# Altium PCB MotherBoard_Layout.PcbDoc (part 2 of 2)
Units mil, origin at the board's own origin, x right, y up, seen from the top; angles counter-clockwise.
Board outline 5200 x 4470 mil, 4 copper layers (Top Layer, Int1 (GND), Int2 (PWR), Bottom Layer), stack 53.912 mil thick; 91 components, 57 nets, 316 pads, 326 vias.
Unrouted connection lines stored in the file: 3.
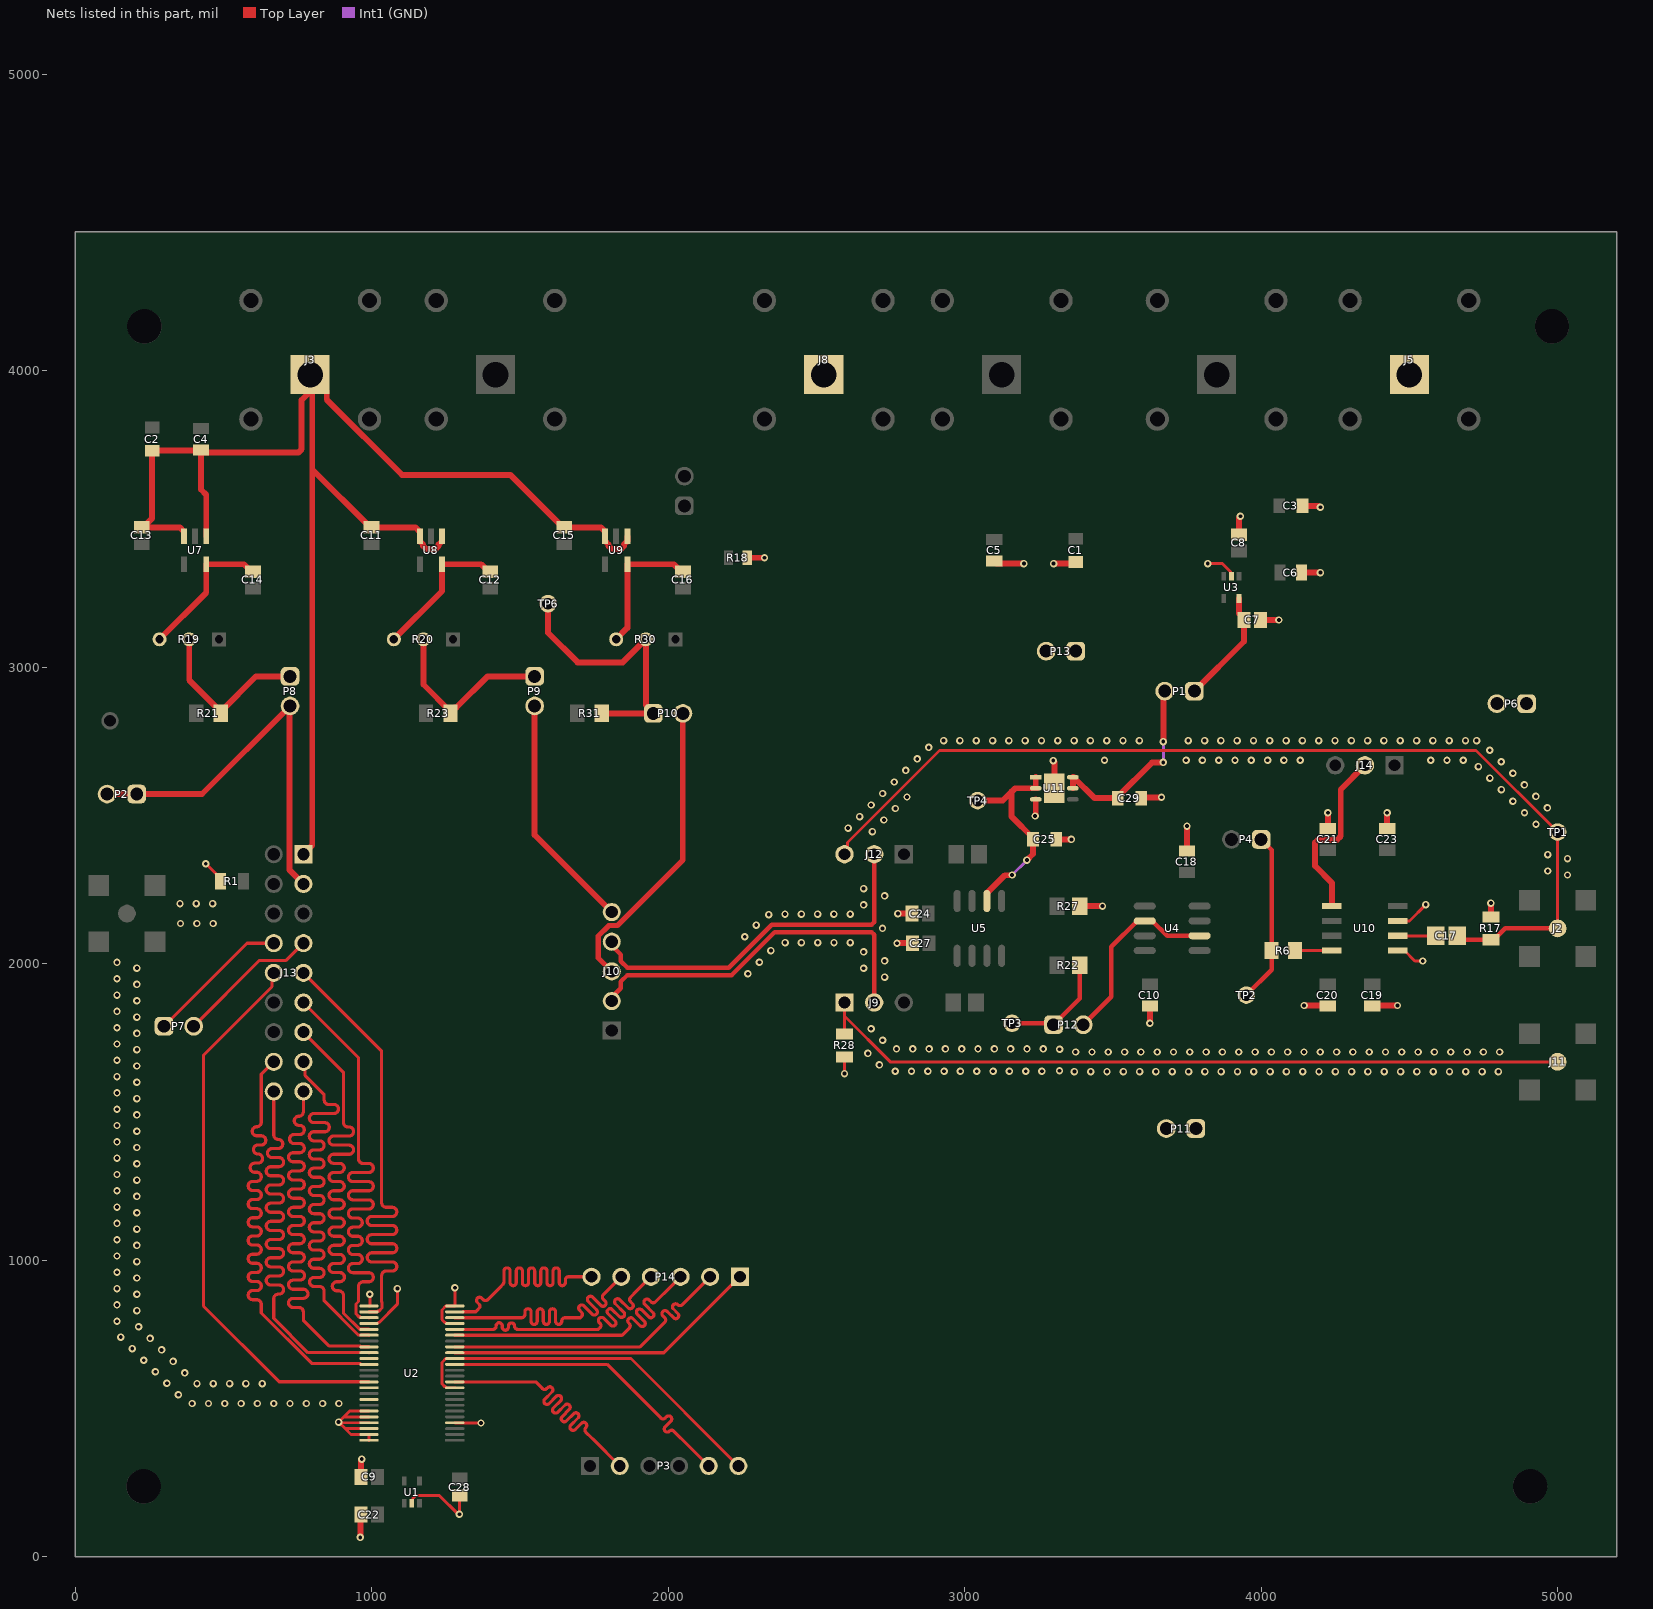
[diagram p4: the nets of this part, all layers, seen from the top]

## Via types
v1: diameter 25, hole 13, Top Layer to Bottom Layer, 326 vias

## Nets (pads, with @x,y where several pads share a name; then routed paths per layer and width w, separated by ;. In a path a pad name is that pad's centre, name@x,y a point inside that pad or via, vN(x,y) a via of type N, cw(c..) or ccw(c..) an arc to the next point about the centre after c; other vN are vias at no path point) (continued)
Code2: J13.16 U2.35 | length 1859.3
  Top Layer w10.7: J13.16@670,1670 628.14,1628.14 628.14,1526 628.14,1466.4 cw(c612.79,1466.4) 612.79,1451.05 ccw(c612.78,1435.7) 597.43,1435.7 ccw(c612.78,1435.7) 612.78,1420.34 628.14,1420.34 cw(c628.14,1404.99) 643.49,1404.99 cw(c628.14,1404.99) 628.14,1389.64 617.05,1389.64 ccw(c617.05,1374.29) 601.7,1374.29 ccw(c617.05,1374.29) 617.05,1358.94 cw(c617.05,1343.59) 632.4,1343.59 cw(c617.05,1343.59) 617.05,1328.24 605.89,1328.24 ccw(c605.89,1312.89) 590.54,1312.89 ccw(c605.89,1312.89) 605.89,1297.54 612.79,1297.53 cw(c612.79,1282.18) 628.14,1282.18 cw(c612.79,1282.18) 612.79,1266.83 599.05,1266.83 ccw(c599.05,1251.48) 583.7,1251.48 ccw(c599.05,1251.48) 599.05,1236.13 612.79,1236.13 cw(c612.79,1220.78) 628.14,1220.78 cw(c612.79,1220.78) 612.79,1205.43 599.05,1205.43 ccw(c599.05,1190.08) 583.7,1190.08 ccw(c599.05,1190.08) 599.05,1174.73 612.79,1174.73 cw(c612.79,1159.37) 628.14,1159.37 cw(c612.79,1159.37) 612.79,1144.02 599.05,1144.02 ccw(c599.05,1128.67) 583.7,1128.67 ccw(c599.05,1128.67) 599.05,1113.32 612.79,1113.32 cw(c612.79,1097.97) 628.14,1097.97 cw(c612.79,1097.97) 612.79,1082.62 599.05,1082.62 ccw(c599.05,1067.27) 583.7,1067.27 ccw(c599.05,1067.27) 599.05,1051.92 612.79,1051.92 cw(c612.79,1036.57) 628.14,1036.57 cw(c612.79,1036.57) 612.79,1021.21 599.05,1021.21 ccw(c599.05,1005.86) 583.7,1005.86 ccw(c599.05,1005.86) 599.05,990.51 612.79,990.51 cw(c612.79,975.16) 628.14,975.16 cw(c612.79,975.16) 612.79,959.81 599.05,959.81 ccw(c599.05,944.46) 583.7,944.46 ccw(c599.05,944.46) 599.05,929.11 612.79,929.11 cw(c612.79,913.76) 628.14,913.76 cw(c612.79,913.76) 612.79,898.41 599.05,898.41 ccw(c599.05,883.05) 583.7,883.05 ccw(c599.05,883.05) 599.05,867.7 612.79,867.7 cw(c612.79,852.35) 628.14,852.35 628.14,847 628.14,822.89 798.14,652.89 961.08,652.89 U2.35@964.06,649.91
Code2_BufferOut: P3.5 U2.14 | length 1067.4
  Top Layer w10.7: U2.14@1280.7,649.53 1794.47,649.53 1971.5,472.5 1975.28,468.72 ccw(c1982.85,476.28) 1990.42,468.72 1994.64,472.94 cw(c2001.96,465.62) 2009.28,472.94 cw(c2001.96,465.62) 2009.28,458.3 1989.92,438.94 ccw(c1997.24,431.62) 1989.92,424.3 ccw(c1997.24,431.62) 2004.56,424.3 cw(c2012.13,416.74) 2019.7,424.3 2043.22,400.78 2047,397 P3.5@2137,307
Code3: J13.18 U2.33 | length 1885.6
  Top Layer w10.7: J13.18@670,1570 670,1482 670,1423.7 ccw(c685.35,1423.7) 685.35,1408.34 cw(c685.35,1392.99) 700.7,1392.99 cw(c685.35,1392.99) 685.35,1377.64 664.46,1377.64 ccw(c664.46,1362.29) 649.11,1362.29 ccw(c664.46,1362.29) 664.46,1346.94 687.95,1346.94 cw(c687.95,1331.59) 703.3,1331.59 cw(c687.95,1331.59) 687.95,1316.24 660.19,1316.24 ccw(c660.19,1300.89) 644.84,1300.89 ccw(c660.19,1300.89) 660.19,1285.54 687.95,1285.53 cw(c687.95,1270.18) 703.3,1270.18 cw(c687.95,1270.18) 687.95,1254.83 660.19,1254.83 ccw(c660.19,1239.48) 644.84,1239.48 ccw(c660.19,1239.48) 660.19,1224.13 687.95,1224.13 cw(c687.95,1208.78) 703.3,1208.78 cw(c687.95,1208.78) 687.95,1193.43 660.19,1193.43 ccw(c660.19,1178.08) 644.84,1178.08 ccw(c660.19,1178.08) 660.19,1162.73 687.95,1162.73 cw(c687.95,1147.37) 703.3,1147.37 cw(c687.95,1147.37) 687.95,1132.02 660.19,1132.02 ccw(c660.19,1116.67) 644.84,1116.67 ccw(c660.19,1116.67) 660.19,1101.32 687.95,1101.32 cw(c687.95,1085.97) 703.3,1085.97 cw(c687.95,1085.97) 687.95,1070.62 660.19,1070.62 ccw(c660.19,1055.27) 644.84,1055.27 ccw(c660.19,1055.27) 660.19,1039.92 687.95,1039.92 cw(c687.95,1024.57) 703.3,1024.57 cw(c687.95,1024.57) 687.95,1009.21 660.19,1009.21 ccw(c660.19,993.86) 644.84,993.86 ccw(c660.19,993.86) 660.19,978.51 687.95,978.51 cw(c687.95,963.16) 703.3,963.16 cw(c687.95,963.16) 687.95,947.81 660.19,947.81 ccw(c660.19,932.46) 644.84,932.46 ccw(c660.19,932.46) 660.19,917.11 687.95,917.11 cw(c687.95,901.76) 703.3,901.76 cw(c687.95,901.76) 687.95,886.41 685.35,886.41 ccw(c685.35,871.05) 670,871.05 670,835 670,804.65 785.37,689.28 990.92,689.28 U2.33@991.3,688.9
Code3_BufferOut: P14.1 U2.16 | length 1067.4
  Top Layer w10.7: U2.16@1280.7,688.9 1985.9,688.9 P14.1@2242,945
Code4: J13.17 U2.32 | length 1886.7
  Top Layer w10.7: J13.17@770,1570 770,1501.69 cw(c754.65,1501.69) 754.65,1486.34 ccw(c754.65,1470.99) 739.3,1470.99 ccw(c754.65,1470.99) 754.65,1455.64 757.95,1455.64 cw(c757.95,1440.29) 773.3,1440.29 cw(c757.95,1440.29) 757.95,1424.94 738.86,1424.94 ccw(c738.86,1409.59) 723.51,1409.59 ccw(c738.86,1409.59) 738.86,1394.24 757.95,1394.24 cw(c757.95,1378.89) 773.3,1378.89 cw(c757.95,1378.88) 757.95,1363.53 735.35,1363.53 ccw(c735.35,1348.18) 720,1348.18 ccw(c735.35,1348.18) 735.35,1332.83 757.95,1332.83 cw(c757.95,1317.48) 773.3,1317.48 cw(c757.95,1317.48) 757.95,1302.13 735.35,1302.13 ccw(c735.35,1286.78) 720,1286.78 ccw(c735.35,1286.78) 735.35,1271.43 757.95,1271.43 cw(c757.95,1256.08) 773.3,1256.08 cw(c757.95,1256.08) 757.95,1240.72 735.35,1240.72 ccw(c735.35,1225.37) 720,1225.37 ccw(c735.35,1225.37) 735.35,1210.02 757.95,1210.02 cw(c757.95,1194.67) 773.3,1194.67 cw(c757.95,1194.67) 757.95,1179.32 735.35,1179.32 ccw(c735.35,1163.97) 720,1163.97 ccw(c735.35,1163.97) 735.35,1148.62 757.95,1148.62 cw(c757.95,1133.27) 773.3,1133.27 cw(c757.95,1133.27) 757.95,1117.92 735.35,1117.92 ccw(c735.35,1102.56) 720,1102.56 ccw(c735.35,1102.56) 735.35,1087.21 757.95,1087.21 cw(c757.95,1071.86) 773.3,1071.86 cw(c757.95,1071.86) 757.95,1056.51 735.35,1056.51 ccw(c735.35,1041.16) 720,1041.16 ccw(c735.35,1041.16) 735.35,1025.81 757.95,1025.81 cw(c757.95,1010.46) 773.3,1010.46 cw(c757.95,1010.46) 757.95,995.11 735.35,995.11 ccw(c735.35,979.76) 720,979.76 ccw(c735.35,979.76) 735.35,964.4 758.77,964.4 cw(c758.77,949.05) 774.12,949.05 cw(c758.77,949.05) 758.77,933.7 735.35,933.7 ccw(c735.35,918.35) 720,918.35 ccw(c735.35,918.35) 735.35,903 770.07,903 cw(c770.07,887.65) 785.42,887.65 cw(c770.07,887.65) 770.07,872.3 735.35,872.3 ccw(c735.35,856.95) 720,856.95 ccw(c735.35,856.95) 735.35,841.59 754.65,841.59 cw(c754.65,826.24) 770,826.24 770,820.89 770,798 856.05,711.95 961.08,711.95 964.06,708.96 990.92,708.96 U2.32@991.3,708.58
Code4_BufferOut: P14.2 U2.17 | length 1067.4
  Top Layer w10.7: U2.17@1280.7,708.58 1905.58,708.58 1985,788 1988.78,791.78 ccw(c1981.22,799.35) 1988.78,806.92 1982.46,813.25 cw(c1989.78,820.57) 1982.46,827.88 cw(c1989.78,820.57) 1997.1,827.88 2018.48,806.5 ccw(c2025.8,813.82) 2033.12,806.5 ccw(c2025.8,813.82) 2033.12,821.14 2018.06,836.2 cw(c2025.38,843.52) 2018.06,850.84 cw(c2025.38,843.52) 2032.7,850.84 ccw(c2040.27,858.4) 2047.84,850.84 2109,912 P14.2@2142,945
Code5: J13.15 U2.30 | length 1887.4
  Top Layer w10.7: J13.15@770,1670 775.77,1664.23 775.77,1623.43 840,1559.2 840,1546.97 840,1541.62 ccw(c855.35,1541.62) 855.35,1526.27 872.95,1526.27 cw(c872.95,1510.92) 888.3,1510.92 cw(c872.95,1510.92) 872.95,1495.57 805.35,1495.57 ccw(c805.35,1480.22) 790,1480.22 ccw(c805.35,1480.22) 805.35,1464.87 842.17,1464.87 cw(c842.17,1449.51) 857.52,1449.51 cw(c842.17,1449.51) 842.17,1434.16 805.35,1434.16 ccw(c805.35,1418.81) 790,1418.81 ccw(c805.35,1418.81) 805.35,1403.46 824.65,1403.46 cw(c824.65,1388.11) 840,1388.11 cw(c824.65,1388.11) 824.65,1372.76 805.35,1372.76 ccw(c805.35,1357.41) 790,1357.41 ccw(c805.35,1357.41) 805.35,1342.06 824.65,1342.06 cw(c824.65,1326.7) 840,1326.7 cw(c824.65,1326.7) 824.65,1311.35 805.35,1311.35 ccw(c805.35,1296) 790,1296 ccw(c805.35,1296) 805.35,1280.65 824.65,1280.65 cw(c824.65,1265.3) 840,1265.3 cw(c824.65,1265.3) 824.65,1249.95 805.35,1249.95 ccw(c805.35,1234.6) 790,1234.6 ccw(c805.35,1234.6) 805.35,1219.25 824.65,1219.25 cw(c824.65,1203.9) 840,1203.9 cw(c824.65,1203.9) 824.65,1188.54 805.35,1188.54 ccw(c805.35,1173.19) 790,1173.19 ccw(c805.35,1173.19) 805.35,1157.84 824.65,1157.84 cw(c824.65,1142.49) 840,1142.49 cw(c824.65,1142.49) 824.65,1127.14 805.35,1127.14 ccw(c805.35,1111.79) 790,1111.79 ccw(c805.35,1111.79) 805.35,1096.44 824.65,1096.44 cw(c824.65,1081.09) 840,1081.09 cw(c824.65,1081.09) 824.65,1065.74 805.35,1065.74 ccw(c805.35,1050.38) 790,1050.38 ccw(c805.35,1050.38) 805.35,1035.03 824.65,1035.03 cw(c824.65,1019.68) 840,1019.68 cw(c824.65,1019.68) 824.65,1004.33 805.35,1004.33 ccw(c805.35,988.98) 790,988.98 ccw(c805.35,988.98) 805.35,973.63 824.65,973.63 cw(c824.65,958.28) 840,958.28 cw(c824.65,958.28) 824.65,942.93 806.18,942.93 ccw(c806.18,927.57) 790.83,927.57 ccw(c806.18,927.57) 806.18,912.22 824.65,912.22 cw(c824.65,896.87) 840,896.87 840,864.3 955.97,748.33 990.92,748.33 U2.30@991.3,747.95
Code5_BufferOut: P14.3 U2.19 | length 1065.3
  Top Layer w10.7: U2.19@1280.7,747.95 1844.95,747.95 1865.28,768.28 1869.07,772.07 ccw(c1861.5,779.64) 1869.07,787.2 1866.98,789.29 cw(c1874.3,796.61) 1866.98,803.93 cw(c1874.3,796.61) 1881.62,803.93 1905.17,780.38 ccw(c1912.49,787.7) 1919.81,780.38 ccw(c1912.49,787.7) 1919.81,795.02 1896.26,818.57 cw(c1903.58,825.89) 1896.26,833.21 cw(c1903.58,825.89) 1910.9,833.21 1934.45,809.66 ccw(c1941.77,816.98) 1949.08,809.66 ccw(c1941.77,816.98) 1949.08,824.3 1921.3,852.09 cw(c1928.62,859.4) 1921.3,866.72 cw(c1928.62,859.4) 1935.94,866.72 1942.26,860.4 ccw(c1949.83,867.97) 1957.4,860.4 2010,913 P14.3@2042,945
Code6: J13.13 U2.29 | length 1886
  Top Layer w10.7: J13.13@770,1770 905,1635 905,1471 905,1465.65 ccw(c920.35,1465.65) 920.35,1450.3 923.92,1450.3 cw(c923.92,1434.95) 939.27,1434.95 cw(c923.92,1434.95) 923.92,1419.59 872.05,1419.59 ccw(c872.05,1404.24) 856.7,1404.24 ccw(c872.05,1404.24) 872.05,1388.89 923.92,1388.89 cw(c923.92,1373.54) 939.27,1373.54 cw(c923.92,1373.54) 923.92,1358.19 872.05,1358.19 ccw(c872.05,1342.84) 856.7,1342.84 ccw(c872.05,1342.84) 872.05,1327.49 892.4,1327.49 cw(c892.4,1312.14) 907.75,1312.14 cw(c892.4,1312.14) 892.4,1296.79 872.05,1296.79 ccw(c872.05,1281.43) 856.7,1281.43 ccw(c872.05,1281.43) 872.05,1266.08 892.4,1266.08 cw(c892.4,1250.73) 907.75,1250.73 cw(c892.4,1250.73) 892.4,1235.38 872.05,1235.38 ccw(c872.05,1220.03) 856.7,1220.03 ccw(c872.05,1220.03) 872.05,1204.68 892.4,1204.68 cw(c892.4,1189.33) 907.75,1189.33 cw(c892.4,1189.33) 892.4,1173.98 872.05,1173.98 ccw(c872.05,1158.63) 856.7,1158.63 ccw(c872.05,1158.63) 872.05,1143.27 892.4,1143.27 cw(c892.4,1127.92) 907.75,1127.92 cw(c892.4,1127.92) 892.4,1112.57 872.05,1112.57 ccw(c872.05,1097.22) 856.7,1097.22 ccw(c872.05,1097.22) 872.05,1081.87 892.4,1081.87 cw(c892.4,1066.52) 907.75,1066.52 cw(c892.4,1066.52) 892.4,1051.17 872.05,1051.17 ccw(c872.05,1035.82) 856.7,1035.82 ccw(c872.05,1035.82) 872.05,1020.47 892.4,1020.47 cw(c892.4,1005.11) 907.75,1005.11 cw(c892.4,1005.11) 892.4,989.76 872.05,989.76 ccw(c872.05,974.41) 856.7,974.41 ccw(c872.05,974.41) 872.05,959.06 892.97,959.06 cw(c892.97,943.71) 908.32,943.71 cw(c892.97,943.71) 892.97,928.36 883.01,928.36 ccw(c883.01,913.01) 867.65,913.01 ccw(c883.01,913.01) 883.01,897.66 889.65,897.66 cw(c889.65,882.3) 905,882.3 905,840 905,822.92 959.91,768.02 990.92,768.02 U2.29@991.3,767.64
Code6_BufferOut: P14.4 U2.20 | length 1067.4
  Top Layer w10.7: U2.20@1280.7,767.64 1404,767.64 1409.35,767.64 ccw(c1409.35,778.34) 1420.05,778.34 1420.05,779.95 cw(c1430.41,779.95) 1430.41,790.31 cw(c1430.41,779.95) 1440.76,779.95 1440.76,775.01 ccw(c1451.11,775.01) 1451.11,764.66 ccw(c1451.11,775.01) 1461.46,775.01 1461.46,779.1 cw(c1471.81,779.1) 1471.81,789.45 cw(c1471.81,779.1) 1482.16,779.1 1482.16,778.34 ccw(c1492.86,778.34) 1492.86,767.64 1751,767.64 1764.64,767.64 1766.53,769.53 1770.31,773.31 ccw(c1762.75,780.88) 1770.31,788.45 1768.22,790.54 cw(c1775.54,797.86) 1768.22,805.18 cw(c1775.54,797.86) 1782.86,805.18 1806.41,781.63 ccw(c1813.73,788.95) 1821.05,781.63 ccw(c1813.73,788.95) 1821.05,796.27 1797.5,819.82 cw(c1804.82,827.14) 1797.5,834.45 cw(c1804.82,827.14) 1812.14,834.46 1835.69,810.9 ccw(c1843.01,818.22) 1850.33,810.9 ccw(c1843.01,818.22) 1850.33,825.54 1822.54,853.33 cw(c1829.86,860.65) 1822.54,867.97 cw(c1829.86,860.65) 1837.18,867.97 1864.97,840.18 ccw(c1872.29,847.5) 1879.61,840.18 ccw(c1872.29,847.5) 1879.61,854.82 1873.28,861.15 cw(c1880.85,868.71) 1873.28,876.28 1893,896 P14.4@1942,945
Code7: J13.11 U2.27 | length 1882.1
  Top Layer w10.7: J13.11@770,1870 955.97,1684.03 955.97,1348 955.97,1342.65 ccw(c971.32,1342.65) 971.32,1327.3 990.62,1327.3 cw(c990.62,1311.95) 1005.97,1311.95 cw(c990.62,1311.95) 990.62,1296.59 937.05,1296.59 ccw(c937.05,1281.24) 921.7,1281.24 ccw(c937.05,1281.24) 937.05,1265.89 990.62,1265.89 cw(c990.62,1250.54) 1005.97,1250.54 cw(c990.62,1250.54) 990.62,1235.19 937.05,1235.19 ccw(c937.05,1219.84) 921.7,1219.84 ccw(c937.05,1219.84) 937.05,1204.49 990.62,1204.49 cw(c990.62,1189.14) 1005.97,1189.14 cw(c990.62,1189.14) 990.62,1173.79 937.05,1173.79 ccw(c937.05,1158.43) 921.7,1158.43 ccw(c937.05,1158.43) 937.05,1143.08 953.18,1143.08 cw(c953.18,1127.73) 968.54,1127.73 cw(c953.18,1127.73) 953.18,1112.38 937.05,1112.38 ccw(c937.05,1097.03) 921.7,1097.03 ccw(c937.05,1097.03) 937.05,1081.68 953.18,1081.68 cw(c953.18,1066.33) 968.54,1066.33 cw(c953.18,1066.33) 953.18,1050.98 937.05,1050.98 ccw(c937.05,1035.63) 921.7,1035.63 ccw(c937.05,1035.63) 937.05,1020.27 953.18,1020.27 cw(c953.18,1004.92) 968.54,1004.92 cw(c953.18,1004.92) 953.18,989.57 937.05,989.57 ccw(c937.05,974.22) 921.7,974.22 ccw(c937.05,974.22) 937.05,958.87 990.62,958.87 cw(c990.62,943.52) 1005.97,943.52 cw(c990.62,943.52) 990.62,928.17 971.32,928.17 ccw(c971.32,912.82) 955.97,912.82 955.97,861.75 947.36,853.14 947.36,819.93 956.92,810.37 961.08,810.37 964.06,807.39 990.92,807.39 U2.27@991.3,807.01
Code7_BufferOut: P14.5 U2.22 | length 1067.2
  Top Layer w10.7: U2.22@1280.7,807.01 1501,807.01 1506.35,807.01 ccw(c1506.35,817.71) 1517.05,817.71 1517.05,826.66 cw(c1527.41,826.66) 1527.41,837.01 cw(c1527.41,826.66) 1537.76,826.66 1537.76,794.69 ccw(c1548.11,794.69) 1548.11,784.34 ccw(c1548.11,794.69) 1558.46,794.69 1558.46,826.66 cw(c1568.81,826.66) 1568.81,837.01 cw(c1568.81,826.66) 1579.16,826.66 1579.16,794.69 ccw(c1589.51,794.69) 1589.51,784.34 ccw(c1589.51,794.69) 1599.86,794.69 1599.86,826.66 cw(c1610.21,826.66) 1610.21,837.01 cw(c1610.21,826.66) 1620.57,826.66 1620.57,794.69 ccw(c1630.92,794.69) 1630.92,784.34 ccw(c1630.92,794.69) 1641.27,794.69 1641.27,796.31 cw(c1651.97,796.31) 1651.97,807.01 1688,807.01 1704.01,807.01 1707.79,810.79 ccw(c1700.22,818.36) 1707.79,825.93 1701.47,832.25 cw(c1708.79,839.57) 1701.47,846.89 cw(c1708.79,839.57) 1716.1,846.89 1743.89,819.1 ccw(c1751.21,826.42) 1758.53,819.1 ccw(c1751.21,826.42) 1758.53,833.74 1730.74,861.53 cw(c1738.06,868.85) 1730.74,876.17 cw(c1738.06,868.85) 1745.38,876.17 1773.17,848.38 ccw(c1780.49,855.7) 1787.81,848.38 ccw(c1780.49,855.7) 1787.81,863.02 1781.48,869.35 cw(c1789.05,876.91) 1781.48,884.48 1804.5,907.5 P14.5@1842,945
Code8: J13.9 U2.26 | length 1886.6
  Top Layer w10.7: J13.9@770,1970 1034,1706 1034,1200 1034,1194.65 ccw(c1049.35,1194.65) 1049.35,1179.3 1069.89,1179.3 cw(c1069.89,1163.95) 1085.24,1163.95 cw(c1069.89,1163.95) 1069.89,1148.59 1000.59,1148.59 ccw(c1000.59,1133.24) 985.24,1133.24 ccw(c1000.59,1133.24) 1000.59,1117.89 1069.89,1117.89 cw(c1069.89,1102.54) 1085.24,1102.54 cw(c1069.89,1102.54) 1069.89,1087.19 1000.59,1087.19 ccw(c1000.59,1071.84) 985.24,1071.84 ccw(c1000.59,1071.84) 1000.59,1056.49 1069.89,1056.49 cw(c1069.89,1041.14) 1085.24,1041.14 cw(c1069.89,1041.14) 1069.89,1025.79 1000.59,1025.79 ccw(c1000.59,1010.43) 985.24,1010.43 ccw(c1000.59,1010.43) 1000.59,995.08 1069.89,995.08 cw(c1069.89,979.73) 1085.24,979.73 cw(c1069.89,979.73) 1069.89,964.38 1049.35,964.38 ccw(c1049.35,949.03) 1034,949.03 1034,860.53 1034.62,859.91 1035.24,859.29 1035.24,839.62 1025.68,830.06 1021.52,830.06 1018.54,827.07 991.68,827.07 U2.26@991.3,826.69
Code8_BufferOut: P14.6 U2.23 | length 1040.1
  Top Layer w10.7: U2.23@1307.94,827.07 1351.07,827.07 1358.36,834.36 1362.15,838.15 ccw(c1354.58,845.71) 1362.15,853.28 1357.11,858.32 cw(c1364.43,865.64) 1357.11,872.95 cw(c1364.43,865.64) 1371.75,872.95 1376.78,867.92 ccw(c1384.35,875.49) 1391.92,867.92 1435.49,911.49 1436,912 1441.35,917.35 ccw(c1428.86,929.85) 1446.53,929.85 1446.53,964.65 cw(c1456.88,964.65) 1456.88,975 cw(c1456.88,964.65) 1467.23,964.65 1467.23,925.35 ccw(c1477.58,925.35) 1477.58,915 ccw(c1477.58,925.35) 1487.93,925.35 1487.93,964.65 cw(c1498.28,964.65) 1498.28,975 cw(c1498.28,964.65) 1508.63,964.65 1508.63,925.35 ccw(c1518.99,925.35) 1518.99,915 ccw(c1518.99,925.35) 1529.34,925.35 1529.34,964.65 cw(c1539.69,964.65) 1539.69,975 cw(c1539.69,964.65) 1550.04,964.65 1550.04,925.35 ccw(c1560.39,925.35) 1560.39,915 ccw(c1560.39,925.35) 1570.74,925.35 1570.74,964.65 cw(c1581.09,964.65) 1581.09,975 cw(c1581.09,964.65) 1591.44,964.65 1591.44,925.35 ccw(c1601.79,925.35) 1601.79,915 ccw(c1601.79,925.35) 1612.15,925.35 1612.15,964.65 cw(c1622.5,964.65) 1622.5,975 cw(c1622.5,964.65) 1632.85,964.65 1632.85,925.35 ccw(c1643.2,925.35) 1643.2,915 ccw(c1643.2,925.35) 1653.55,925.35 1653.55,934.3 cw(c1664.25,934.3) 1664.25,945 1682,945 P14.6@1742,945
DGND: C1.2 C3.2 C5.2 C6.2 C7.1 C8.1 C9.1 C10.2 C18.2 C19.2 C20.2 C21.2 C22.1 C23.2 C24.1 C25.2 C27.1 C28.1 C29.2 J5.1 J8.1 P3.6 P6.1 P6.2 P11.1 P11.2 P13.1 P13.2 R1.2 R17.2 R18.2 R27.1 R28.1 U1.2 U2.4 U2.10 U2.15 U2.21 U2.24 U2.25 U2.28 U2.34 U2.39 U2.41 U2.43 U2.44 U2.45 U2.46 U2.47 U2.48 U3.2 U10.1 U10.3 U11.3 U11.7 | length 4612.3
  Top Layer w10: v1(441,2338) 441.46,2338 490.61,2288.84 R1.2@490.61,2279 ; 910.42,472.36 U2.44@991.3,472.36 ; U2.45@991.3,452.68 v1@891.29,452.71 ; U2.48@991.3,393.62 U2.47@991.3,413.31 930.69,413.31 911.01,432.99 ; U2.46@991.3,432.99 911.01,432.99 ; U2.43@991.3,492.05 926.05,492.05 v1(889,455) v1@891.29,452.71 ; U2.28@991.3,787.32 1018.86,787.32 1022.57,791.04 1025.53,791.04 1087,852.51 v1(1087,905) ; U2.25@991.3,846.38 U2.25@993.97,846.38 ; U2.25@994,846.41 v1(994,886) ; U1.2@1136,181.6 1138.87,184.47 1138.87,197.08 1149.16,207.36 1228.64,207.36 1292,144 v1(1296,144) 1296,207.44 C28.1@1297,208.44 ; U2.15@1280.7,669.21 1250.15,669.18 1237.11,656.14 1237.11,583.86 1246.47,574.5 1249.43,574.5 1253.14,570.79 U2.10@1280.7,570.79 ; U2.24@1280.67,846.35 1250.15,846.35 1237.11,833.31 1237.11,800.39 1246.47,791.04 1249.43,791.04 1253.14,787.32 U2.21@1280.7,787.32 ; U2.15@1280.7,669.21 1874.79,669.21 P3.6@2237,307 ; U2.24@1280.7,846.38 U2.24@1280.97,846.38 ; U2.4@1280.73,452.65 1368.35,452.65 v1(1369,452) ; U2.24@1281,846.41 v1(1281,908) ; v1(2595,1630) R28.1@2595,1686.61 ; v1(3820,3350) 3870.01,3350 3897.13,3322.88 3897.13,3310.28 U3.2@3900,3307.4 ; C20.2@4223.58,1860 C20.2@4225,1858.58 ; C19.2@4375,1858.58 C19.2@4376.42,1860 ; U10.1@4461.25,2045 4483.5,2045 4518.5,2010 v1(4545,2010) ; U10.3@4461.25,2145 4500,2145 v1(4555,2200) ; v1@891.29,452.71 911.01,432.99
  Top Layer w20: v1(962,66) 962.96,66.96 962.96,141.52 C22.1@964.44,143 ; C9.1@964.44,270 964.44,326.09 967,328.65 v1(967,330) ; R18.2@2266.5,3370 v1(2325,3370) ; v1(2772,2070) C27.1@2824.44,2070 ; v1(2775,2170) C24.1@2822.44,2170 ; C5.2@3100,3358.58 3107.63,3350.96 3199.04,3350.96 v1(3200,3350) ; v1(3238,2499) 3238,2500.35 3240,2502.35 U11.3@3240,2555.2 ; U11.7@3278.42,2555.2 3302.86,2579.65 U11.7@3302.86,2592.6 3302.86,2680.78 3299,2684.65 v1(3299,2686) ; v1(3300,3350) 3369.37,3350 C1.2@3375,3355.63 ; C25.2@3306.42,2420 v1(3360,2420) ; R27.1@3388.43,2195 v1(3465,2195) ; C29.2@3595.37,2559 3597.41,2561.04 3663.04,2561.04 v1(3664,2562) ; v1(3625,1800) C10.2@3625,1858.58 ; C18.2@3750,2381.42 v1(3750,2465) ; C8.1@3925,3447.56 3925,3503.65 3930,3508.65 v1(3930,3510) ; C7.1@3997.56,3160 v1(4060,3160) ; C6.2@4136.42,3320 v1(4200,3320) ; C3.2@4139.37,3545 4193.65,3545 4198.65,3540 v1(4200,3540) ; v1(4145,1860) C20.2@4223.58,1860 ; C21.2@4225,2456.42 v1(4225,2510) ; C19.2@4376.42,1860 v1(4460,1860) ; C23.2@4425,2456.42 v1(4425,2510) ; R17.2@4775,2158.39 v1(4775,2205)
  other v1: 394.95,517.57 449.95,517.57 504.95,517.57 559.95,517.57 614.95,517.57 669.95,517.57 724.95,517.57 779.95,517.57 834.95,517.57 889.95,517.57 348.52,547.06 411.27,584.63 466.27,584.63 521.27,584.63 576.27,584.63 631.27,584.63 309.63,585.95 369.73,620.68 270.74,624.84 330.84,659.57 231.85,663.74 291.95,698.46 192.96,702.63 253.06,737.36 154.07,741.52 214.17,776.25 141.47,795.06 208.53,830.96 141.47,850.06 208.53,885.96 141.47,905.06 208.53,940.96 141.47,960.06 208.53,995.96 141.47,1015.06 208.53,1050.96 141.47,1070.06 208.53,1105.96 141.47,1125.06 208.53,1160.96 141.47,1180.06 208.53,1215.96 141.47,1235.06 208.53,1270.96 141.47,1290.06 208.53,1325.96 141.47,1345.06 208.53,1380.96 141.47,1400.06 208.53,1435.96 141.47,1455.06 208.53,1490.96 141.47,1510.06 208.53,1545.96 141.47,1565.06 208.53,1600.96 141.47,1620.06 3370.29,1636.85 3425.29,1636.85 3480.29,1636.85 3535.29,1636.85 3590.29,1636.85 3645.29,1636.85 3700.29,1636.85 3755.29,1636.85 3810.29,1636.85 3865.29,1636.85 3920.29,1636.85 3975.29,1636.85 4030.29,1636.85 4085.29,1636.85 4140.29,1636.85 4195.29,1636.85 4250.29,1636.85 4305.29,1636.85 4360.29,1636.85 4415.29,1636.85 4470.29,1636.85 4525.29,1636.85 4580.29,1636.85 4635.29,1636.85 4690.29,1636.85 4745.29,1636.85 4800.29,1636.85 2766,1638 2821,1638 2876,1638 2931,1638 2986,1638 3041,1638 3096,1638 3151,1638 3206,1638 3260.85,1638 3320,1640 208.53,1655.96 2712.53,1659.68 141.47,1675.06 2673.64,1698.57 3374.51,1703.15 3429.51,1703.15 3484.51,1703.15 3539.51,1703.15 3594.51,1703.15 3649.51,1703.15 3704.51,1703.15 3759.51,1703.15 3814.51,1703.15 3869.51,1703.15 3924.51,1703.15 3979.51,1703.15 4034.51,1703.15 4089.51,1703.15 4144.51,1703.15 4199.51,1703.15 4254.51,1703.15 4309.51,1703.15 4364.51,1703.15 4419.51,1703.15 4474.51,1703.15 4529.51,1703.15 4584.51,1703.15 4639.51,1703.15 4694.51,1703.15 4749.51,1703.15 4804.51,1703.15 208.53,1710.96 3320.26,1712.2 2770.28,1713.68 2825.28,1713.68 2880.28,1713.68 2935.28,1713.68 2990.28,1713.68 3045.28,1713.68 3100.28,1713.68 3155.28,1713.68 3210.28,1713.68 3265.28,1713.68 141.47,1730.06 2723.45,1742.52 208.53,1765.96 2684.56,1781.41 141.47,1785.06 208.53,1820.96 141.47,1840.06 208.53,1875.96 141.47,1895.06 208.53,1930.96 141.47,1950.06 2730.38,1955.55 2269.06,1967.01 208.53,1985.96 2659.62,1985.55 141.47,2005.06 2307.95,2005.9 2730.38,2010.55 2659.62,2040.55 2346.84,2044.79 2394.57,2072.12 2449.57,2072.12 2504.57,2072.12 2559.57,2072.12 2614.57,2072.12 2258.5,2091.89 2723.12,2120.07 2297.4,2130.79 355.73,2136.47 410.73,2136.47 465.73,2136.47 2339.4,2166.29 2394.38,2167.88 2449.38,2167.88 2504.38,2167.88 2559.38,2167.88 2614.38,2167.88 2659.62,2199.17 353.8,2203.53 408.8,2203.53 463.8,2203.53 2730.38,2229.58 2659.62,2254.17 5033.15,2300.13 4966.85,2313.63 5033.15,2355.13 4966.85,2368.63 2689.01,2446.51 2606.96,2458.23 4927,2471.12 2727.9,2485.4 2645.85,2497.12 4888.11,2510.01 2766.79,2524.29 4965.61,2526.27 2684.75,2536.01 4849.22,2548.9 2805.68,2563.18 4926.72,2565.16 2723.64,2574.9 4810.33,2587.79 4887.83,2604.05 2762.53,2613.79 4771.44,2626.68 4848.94,2642.94 2801.42,2652.68 4732.55,2665.57 4810.05,2681.83 3471.89,2686.99 3746.89,2686.99 3801.89,2686.99 3856.89,2686.99 3911.89,2686.99 3966.89,2686.99 4021.89,2686.99 4076.89,2686.99 4131.89,2686.99 4571.89,2686.99 4626.89,2686.99 4681.89,2686.99 2840.31,2691.57 4771.16,2720.72 2879.2,2730.46 2929.24,2753.29 2984.24,2753.29 3039.24,2753.29 3094.24,2753.29 3149.24,2753.29 3204.24,2753.29 3259.24,2753.29 3314.24,2753.29 3369.24,2753.29 3424.24,2753.29 3479.24,2753.29 3534.24,2753.29 3589.24,2753.29 3754.24,2753.29 3809.24,2753.29 3864.24,2753.29 3919.24,2753.29 3974.24,2753.29 4029.24,2753.29 4084.24,2753.29 4139.24,2753.29 4194.24,2753.29 4249.24,2753.29 4304.24,2753.29 4359.24,2753.29 4414.24,2753.29 4469.24,2753.29 4524.24,2753.29 4579.24,2753.29 4634.24,2753.29 4689.24,2753.29 4726.66,2753.05
EOC: J13.10 U2.38 | length 1886.3
  Top Layer w10.7: J13.10@670,1970 664.23,1964.23 664.23,1923.43 433,1692.2 433,846 688.15,590.85 990.92,590.85 U2.38@991.3,590.47
EOC_BufferOut: P3.2 U2.11 | length 1067.4
  Top Layer w10.7: U2.11@1280.7,590.47 1553.53,590.47 1572,572 1575.78,568.22 ccw(c1583.35,575.78) 1590.92,568.22 1593.82,571.12 cw(c1601.14,563.8) 1608.46,571.12 cw(c1601.14,563.8) 1608.46,556.48 1584.1,532.12 ccw(c1591.42,524.8) 1584.1,517.48 ccw(c1591.42,524.8) 1598.74,517.48 1623.1,541.84 cw(c1630.42,534.52) 1637.74,541.84 cw(c1630.42,534.52) 1637.74,527.2 1613.37,502.84 ccw(c1620.69,495.52) 1613.37,488.2 ccw(c1620.69,495.52) 1628.01,488.2 1652.38,512.57 cw(c1659.7,505.25) 1667.02,512.57 cw(c1659.7,505.25) 1667.02,497.93 1642.65,473.56 ccw(c1649.97,466.24) 1642.65,458.92 ccw(c1649.97,466.24) 1657.29,458.92 1681.66,483.29 cw(c1688.98,475.97) 1696.29,483.29 cw(c1688.98,475.97) 1696.29,468.65 1672.13,444.49 ccw(c1679.45,437.17) 1672.13,429.85 ccw(c1679.45,437.17) 1686.77,429.85 1708.03,451.11 cw(c1715.35,443.79) 1722.67,451.11 cw(c1715.35,443.79) 1722.67,436.47 ccw(c1730.24,428.9) 1722.67,421.33 1741.72,402.28 1745.5,398.5 P3.2@1837,307
For_AVDD_ESD_1.5V: C12.2 R20.3 U8.5 | length 493.4
  Top Layer w20: R20.3@1075,3095 1237.4,3257.4 U8.5@1237.4,3348 1369.64,3348 1395.08,3322.56 C12.2@1400,3322.56
For_AVDD_ESD_1V: J10.5 P9.2 | length 802.7
  Top Layer w20: P9.2@1550,2870 1550,2435 J10.5@1810,2175
For_DVDD_1.5V: C14.2 R19.3 U7.5 | length 486.3
  Top Layer w20: R19.3@285,3095 442.4,3252.4 U7.5@442.4,3348 569.64,3348 595.08,3322.56 C14.2@600,3322.56
For_DVDD_1V: J13.3 P2.1 P2.2 P8.2 | length 1357.8
  Top Layer w20: P2.2@108,2573 P2.1@208,2573 428,2573 P8.2@723.49,2868.49 ; P8.2@725,2870 P8.2@723.49,2868.49 ; J13.3@770,2270 723.49,2316.51 P8.2@723.49,2868.49
For_VCM_0.5V: J10.3 P10.2 | length 1023.9
  Top Layer w18: J10.3@1810,1975 1764.49,2020.51 1764.49,2093.85 1800.12,2129.49 1828.85,2129.49 2050,2350.64 P10.2@2050,2845
For_VCM_1.5V: C16.2 R30.3 U9.5 | length 466.6
  Top Layer w20: R30.3@1825,3095 1825,3096.03 1862.4,3133.43 U9.5@1862.4,3348 2019.64,3348 2045.08,3322.56 C16.2@2050,3322.56
IN_T12_N: J9.2 J10.2 | length 1234
  Top Layer w15: J10.2@1810,1875 1810,1887.45 1840.8,1918.26 1840.8,1940.5 1862.8,1962.5 2214.51,1962.5 2359.51,2107.5 2686.21,2107.5 2695,2098.71 J9.2@2695,1870
IN_T12_P: J10.4 J12.2 | length 1234
  Top Layer w15: J10.4@1810,2075 1810,2062.55 1840.8,2031.74 1840.8,2009.5 1862.8,1987.5 2204.15,1987.5 2349.15,2132.5 2686.21,2132.5 2695,2141.29 J12.2@2695,2370
LDO_OUT_2.5V: C29.1 P1.2 U11.5 U11.6 | length 666.9
  Top Layer w20: U11.5@3365,2592.6 U11.6@3365,2630 3367.38,2630 3438.38,2559 C29.1@3516.63,2559 3516.63,2563.92 3631.75,2679.04 3669.04,2679.04 v1(3670,2680) ; v1(3670,2750) 3670.96,2750.96 3670.96,2915.96 P1.2@3675,2920
  Int1 (GND) w10: v1(3670,2680) v1(3670,2750)
MUX0: J13.8 P7.1 | length 486
  Top Layer w10.7: P7.1@300,1790 580,2070 J13.8@670,2070
MUX1: J13.7 P7.2 | length 486
  Top Layer w10.7: P7.2@400,1790 621.86,2011.86 711.86,2011.86 J13.7@770,2070
NetC7_2: C7.2 P1.1 U3.5 | length 388.9
  Top Layer w20: P1.1@3775,2920 3942.44,3087.44 C7.2@3942.44,3160 3942.44,3164.92 3925.59,3181.77 U3.5@3925.59,3232.6
NetC17_2: C17.2 U10.2 | length 127.3
  Top Layer w10: U10.2@4461.25,2095 C17.2@4588.58,2095
NetJ14_2: J14.2 U10.5 | length 606.6
  Top Layer w20: U10.5@4238.75,2195 4238.75,2273.55 4181.44,2330.86 4181.44,2408.91 4190.81,2418.28 4255.75,2418.28 4268.56,2431.09 4268.56,2588.56 J14.2@4350,2670
NetP4_1: P4.1 R6.2 TP2.1 | length 575.2
  Top Layer w15: TP2.1@3950,1895 4035.63,1980.63 R6.2@4035.63,2045 4035.63,2384.37 P4.1@4000,2420
NetP8_1: P8.1 R19.2 R21.1 | length 577
  Top Layer w20: R19.2@385,3095 385,2957.31 R21.1@491.37,2850.94 ; R21.1@491.37,2845 R21.1@491.37,2850.94 ; P8.1@725,2970 610.43,2970 R21.1@491.37,2850.94
NetP9_1: P9.1 R20.2 R23.1 | length 620.8
  Top Layer w20: R20.2@1175,3095 1175,2942.31 R23.1@1266.37,2850.94 ; R23.1@1266.37,2845 R23.1@1266.37,2850.94 ; P9.1@1550,2970 1391.37,2970 1286.06,2864.69 1280.12,2864.69 R23.1@1266.37,2850.94
NetP10_1: P10.1 R30.2 R31.1 TP6.1 | length 935.7
  Top Layer w20: TP6.1@1595,3215 1595,3117 1695,3017 1847,3017 R30.2@1925,3095 1925,2873.11 1950,2848.11 P10.1@1950,2845 R31.1@1776.37,2845
NetP12_2: P12.2 U4.2 U4.6 | length 656.7
  Top Layer w15: P12.2@3400,1795 3494.71,1889.71 3494.71,2057.82 3581.89,2145 U4.6@3607.48,2145 3633.07,2145 3683.07,2095 U4.2@3792.52,2095
NetR6_1: R6.1 U10.8 | length 124.4
  Top Layer w10: R6.1@4114.37,2045 U10.8@4238.75,2045
SEDE_0.5V: C25.1 TP4.1 U5.2 U11.1 U11.2 | length 732.6
  Top Layer w20: TP4.1@3044,2551 3128.72,2551 3158.6,2580.88 ; U5.2@3075,2212.52 3075,2238.11 3135.93,2299.04 3159.04,2299.04 v1(3160,2300) ; v1(3210,2350) 3230.63,2370.63 C25.1@3230.63,2420 3230.63,2424.92 3158.6,2496.95 3158.6,2580.88 ; U11.1@3240,2630 U11.2@3240,2592.6 ; U11.2@3245.73,2592.6 U11.2@3240,2592.6 ; 3158.6,2580.88 3170.31,2592.6 U11.2@3240,2592.6
  Int1 (GND) w10: v1(3160,2300) v1(3210,2350)
SEDE_INPUT: P12.1 R22.1 TP3.1 | length 378.7
  Top Layer w15: TP3.1@3160,1800 3295,1800 P12.1@3300,1795 3388.43,1883.43 R22.1@3388.43,1995
V_SIN_IN_N: J9.1 J11.1 R28.2 | length 2575.4
  Top Layer w10: R28.2@2595,1763.39 2595,1824.09 ; J9.1@2595,1870 2595,1824.09 ; J11.1@5000,1670 2749.09,1670 2595,1824.09
V_SIN_IN_P: C17.1 J2.1 J12.3 R17.1 TP1.1 | length 3366.2
  Top Layer w10: J12.3@2595,2370 2604.91,2379.91 2604.91,2409.3 2915.75,2720.14 4724.86,2720.14 TP1.1@5000,2445 J2.1@5000,2120 ; C17.1@4661.42,2095 C17.1@4674.8,2081.61 ; R17.1@4775,2081.61 R17.1@4784.84,2081.61
  Top Layer w15: C17.1@4674.8,2081.61 R17.1@4775,2081.61 ; R17.1@4784.84,2081.61 4823.23,2120 J2.1@5000,2120
VDD_2.5V: C2.1 C4.1 C11.2 C13.2 C15.2 J3.1 J13.1 U7.1 U7.3 U8.1 U8.3 U9.1 U9.3 | length 5025.2
  Top Layer w20: C13.2@225,3472.56 C13.2@229.92,3472.56 ; U7.3@367.6,3442 367.6,3458 353.04,3472.56 C13.2@229.92,3472.56 ; U7.1@442.4,3442 442.4,3582.74 425,3600.14 C4.1@425,3733.58 ; J13.1@770,2370 800,2400 800,3667.64 ; J3.1@793,3987.5 848.94,3931.56 848.94,3903.25 1102.81,3649.39 1468.25,3649.39 1645.08,3472.56 C15.2@1650,3472.56 1773.04,3472.56 1787.6,3458 U9.3@1787.6,3442 1787.6,3426 1799,3414.6 1799,3409.37 1808.37,3400 1841.63,3400 1851,3409.37 1851,3414.6 1862.4,3426 U9.1@1862.4,3442 ; U8.1@1237.4,3442 1237.4,3426 1226,3414.6 1226,3409.37 1216.63,3400 1183.37,3400 1174,3409.37 1174,3414.6 1162.6,3426 U8.3@1162.6,3442 1162.6,3458 1148.04,3472.56 C11.2@1000,3472.56 995.08,3472.56 800,3667.64 ; C13.2@229.92,3472.56 260,3502.64 C2.1@260,3730.63 261.48,3732.11 423.52,3732.11 C4.1@425,3733.58 ; C4.1@425,3733.58 433.7,3724.88 453.75,3724.88 454.27,3724.36 752.64,3724.36 764.36,3736.08 764.36,3901.86 800,3937.5 800,3667.64
pads on no net: J1.2 J1.3 J1.4 J1.5 J2.2 J2.3 J2.4 J2.5 J3.2 J3.3 J3.4 J3.5 J4.2 J4.3 J4.4 J4.5 J5.2 J5.3 J5.4 J5.5 J6.2 J6.3 J6.4 J6.5 J7.2 J7.3 J7.4 J7.5 J8.2 J8.3 J8.4 J8.5 J11.2 J11.3 J11.4 J11.5 MP1. MP2. MP3. MP4. U1.4 U2.2 U2.3 U2.5 U2.6 U2.8 U3.4 U4.1 U4.5 U4.8 U5.7 U7.4 U8.4 U9.4 U11.4
copper on no net:
  other v1: 2860,2620

## Polygon pours and split planes (outlines as drawn)
+5 on Int2 (PWR) "+5_L03_P003" (solid, pour order 3): 5175,4445 2250,4445 2250,1145 2225,1120 30,1120 30,20 5175,20
VDD_2.5V on Int2 (PWR) "VDD_2.5V_L03_P000" (solid, pour order 0): 72.38,4422.18 72.38,2720 2150,2720 2150,4419.81
-5 on Bottom Layer "-5_L04_P004" (solid, pour order 4): 5180,4450 2255,4450 2250,4445 2250,1120 30,1120 30,40 5180,40
DGND on Int1 (GND) "DGND_L02_P007" (solid, pour order 7): 5200,4450 2230,4450 2230,1120 500,1120 500,2445 0,2445 0,0 5200,0
AGND on Int1 (GND) "AGND_L02_P005" (solid, pour order 5): 0,4470 0,2470 525,2470 525,1170 2225,1170 2225,4470

## Keep-outs
Keep-Out Layer:
  the board outline again, w24

## Silkscreen, mask and mechanical layers (free items; w line width, h text height)
Top Overlay:
  lines w1: 550,1370 2045,1370 2045,2670 550,2670 550,1370
  text "+2.5V" at 530,3573 h100
  text "CHIP_GND" at 1069,3568 h100
  text "+5V" at 3580,3490 h100
  text "D_GND" at 2265,3485 h100
  text "-5V" at 2965,3485 h100
  text "D_GND" at 4225,3485 h100
  text "DGND_TP" at 3202,3122 h40
  text "VCM" at 1548,3096 h30
  text "Single / Point / Connection" at 2285,3030 h40
  text "DGND_TP" at 4722,2954 h40
  text "500k" at 4157,2909 h40
  text "1M" at 4415,2909 h40
  text "AGND" at 68,2886 h30
  text "SEDE_VOCM_0.5V" at 2775,2880 h60
  text "CUTOFF_Choice" at 4125,2815 h40
  text "DVDD_1V" at 145,2650 h60
  text "AVDD_ESD" at 945,2645 h60
  text "VCM_0.5V" at 1665,2640 h60
  text "Buffer" at 3840,2585 h40
  text "SIN_IN_P" at 2180,2350 h40
  text "Filter" at 4450,2265 h40
  text "768.747mil" at 1444,2049 h30
  text "SEDE" at 3340,1875 h40
  text "768.748mil" at 1449,1842 h30
  text "SIN_IN_N" at 2180,1830 h40
  text "MUX" at 258.38,1650 h40
  text "DGND_TP" at 3568,1296 h40
  text "ChengmingLi/MingjieMa / 9-Bit ADC-MotherBoard" at 2954,769 h80
  text "10/20/2024 / No.1" at 2954,457 h80

## Text inside footprints (layer, text, board x,y; h text height)
U7: Top 3D Body "*" at 414.4,3431.5 h50 r270; Top Overlay "*" at 457.4,3464.5 h50 r270
U8: Top 3D Body "*" at 1209.4,3431.5 h50 r270; Top Overlay "*" at 1252.4,3464.5 h50 r270
U9: Top 3D Body "*" at 1834.4,3431.5 h50 r270; Top Overlay "*" at 1877.4,3464.5 h50 r270
U10: Top 3D Body "*" at 4426,2074.5 h50 r180; Top Overlay "*" at 4483.75,2029 h50 r180